# Altium PCB Carte_Alim_2019.PcbDoc (part 2 of 2)
Units mm, origin at the board's own origin, x right, y up, seen from the top; angles counter-clockwise.
Board outline 100 x 100 mm, 2 copper layers (Component Side, Solder Side), stack 1.57 mm thick; 235 components, 108 nets, 687 pads, 304 vias.
Unrouted connection lines stored in the file: 26.
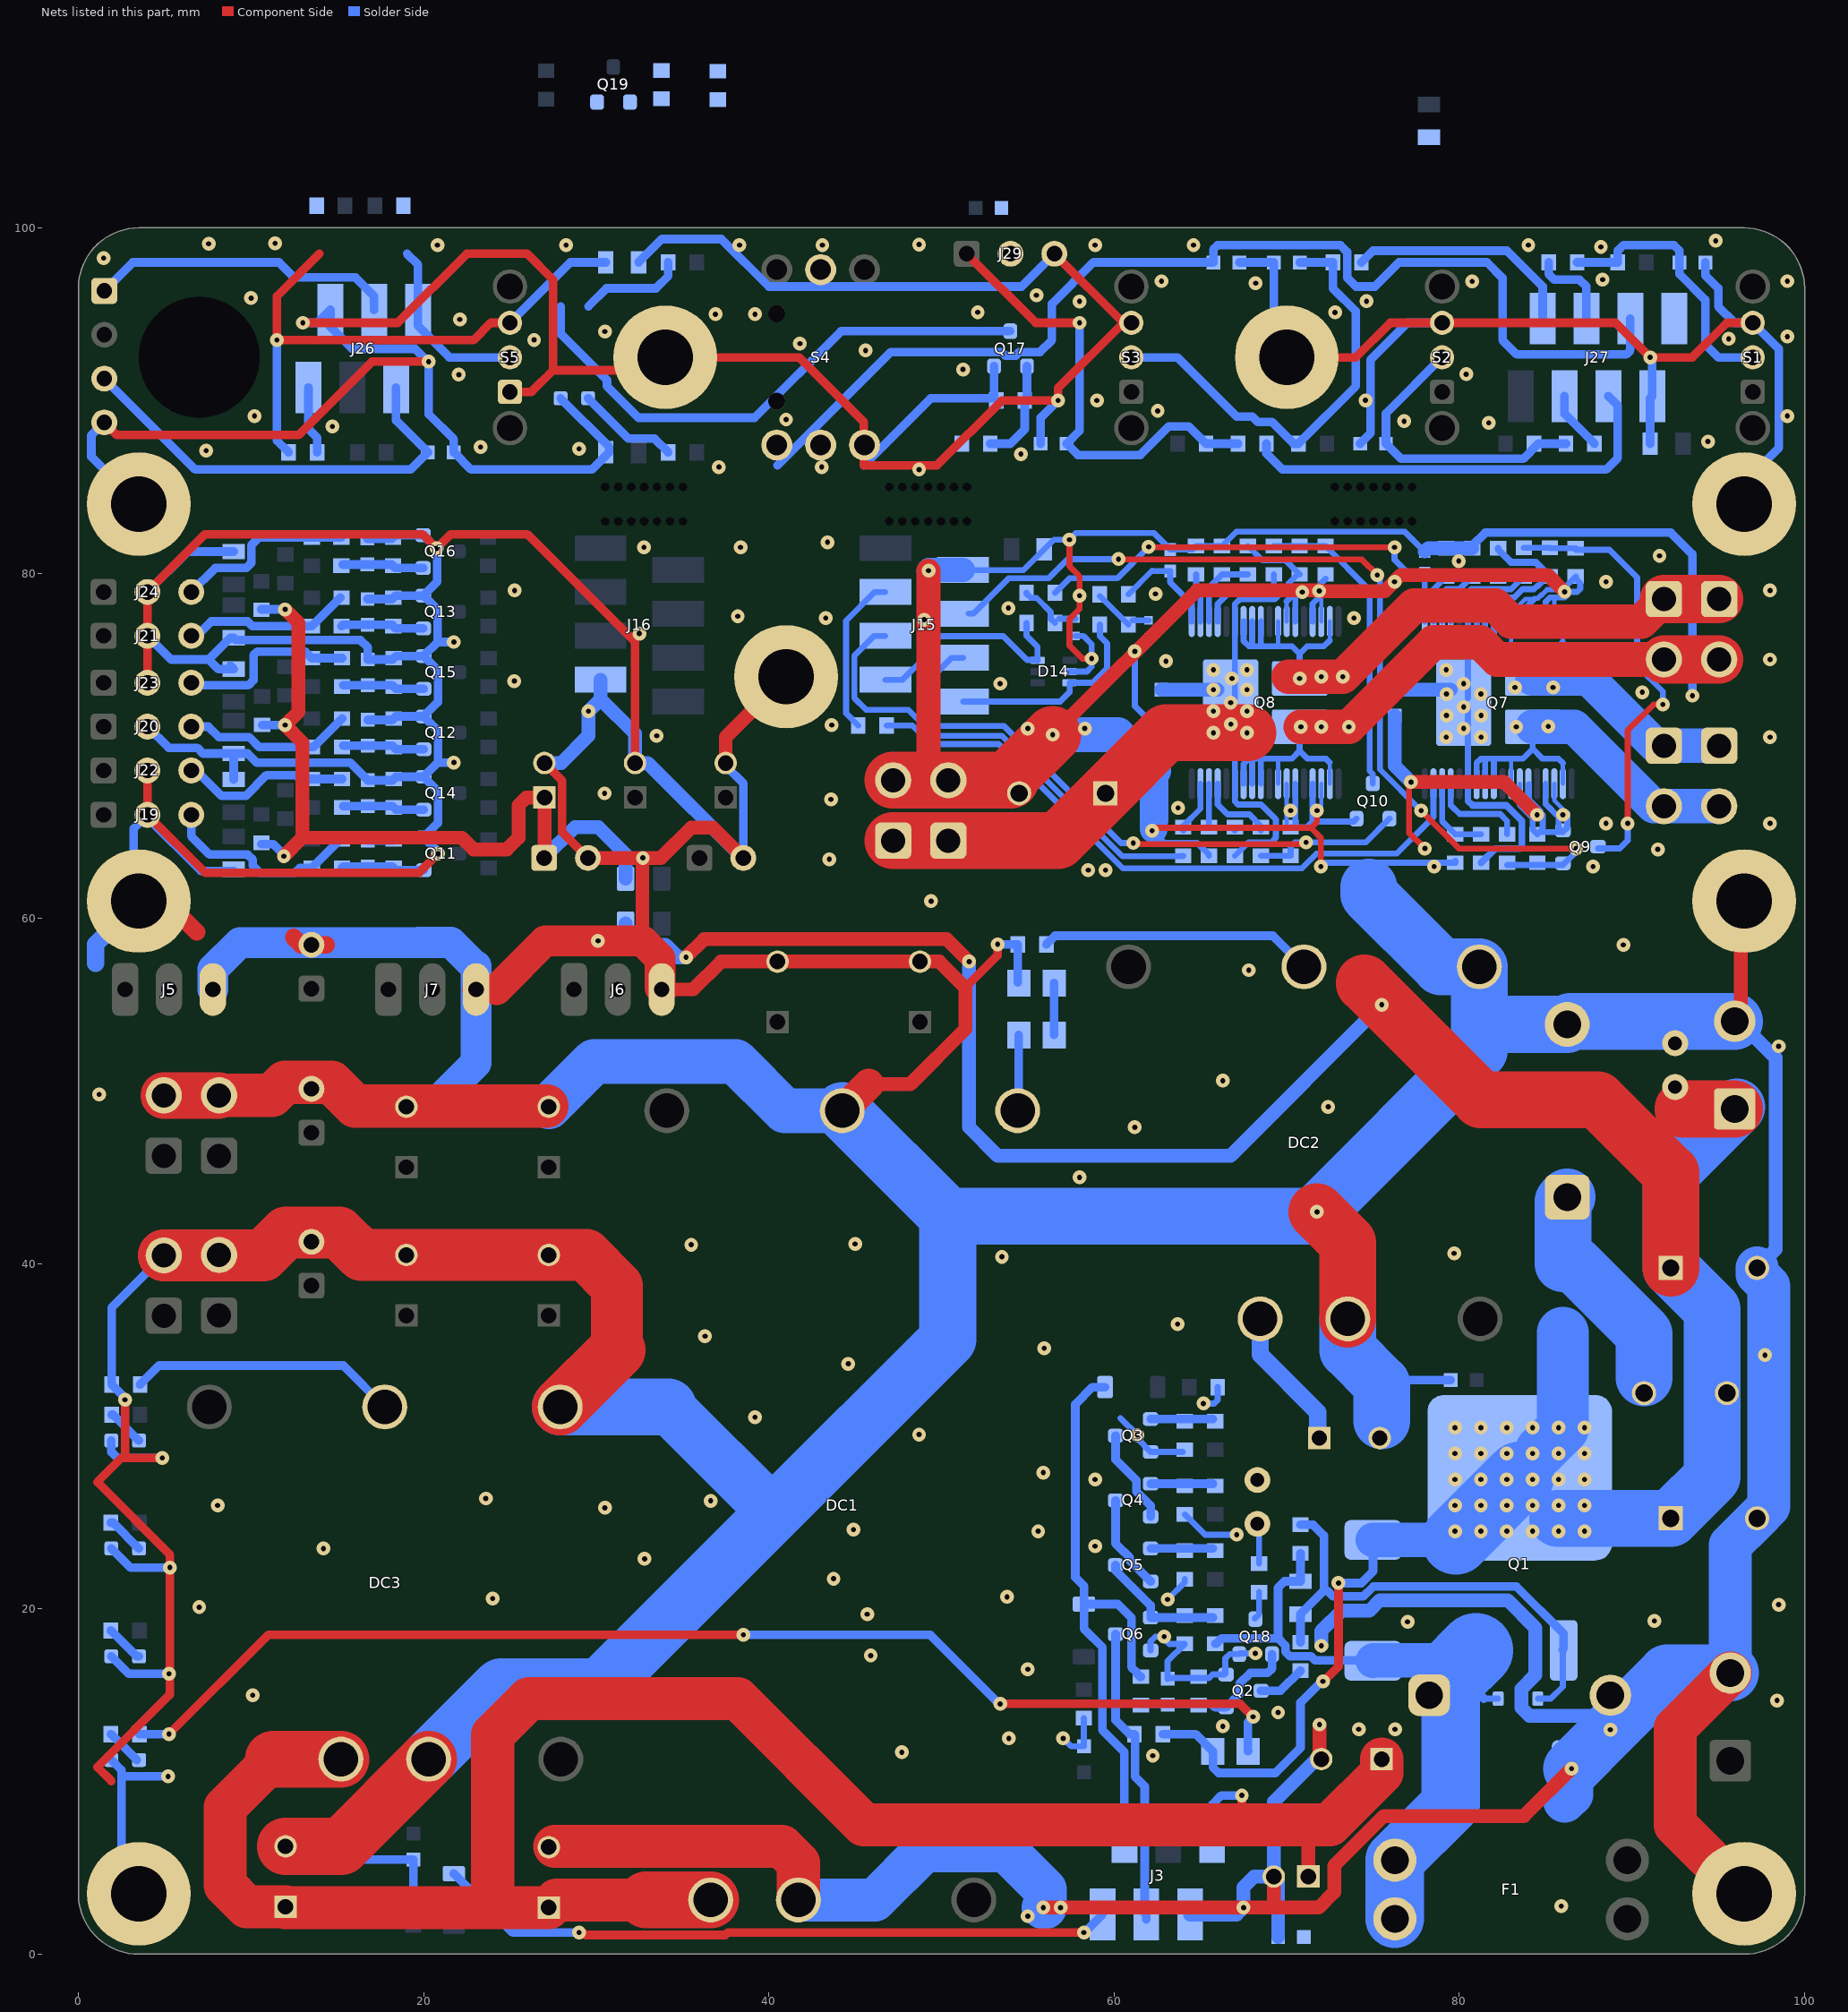
[diagram p2: the nets of this part, all layers, seen from the top]

## Via types
v1: diameter 0.8, hole 0.3, Component Side to Solder Side, tented both sides, 304 vias

## Nets (pads, with @x,y where several pads share a name; then routed paths per layer and width w, separated by ;. In a path a pad name is that pad's centre, name@x,y a point inside that pad or via, vN(x,y) a via of type N, cw(c..) or ccw(c..) an arc to the next point about the centre after c; other vN are vias at no path point) (continued)
GND: C2.2 C3.2 C4.1 C5.2 C6.2 C7.2 C8.2 C9.2 C10.2 C11.1 C12.2 C13.2 C14.2 C15.1 C16.2 C17.2 C18.2 C19.1 C20.2 C21.1 C22.1 C23.1 C24.1 C25.1 C26.2 C27.2 C28.2 C29.1 C30.1 C31.1 C32.2 C33.2 C34.2 C35.1 C36.1 C37.1 C38.2 C39.2 C40.2 C41.1 C42.1 C43.2 C44.2 C45.2 C46.2 C47.2 C48.2 C49.1 C50.2 C51.2 C52.2 D1.1 D3.1 D5.1 D7.1 D11.1 D14.2 DC1.2 DC1.5 DC2.2 DC2.5 DC3.2 DC3.5 DT2.1 J1.2 J2.2 J3.2 J4.2 J5.3 J6.3 J7.3 J8.2 J9.2 J10.2 J11.2 J12.2 J15.2 J16.2 J17.2 J18.2 J19.2 J20.2 J21.2 J22.2 J23.2 J24.2 J26.2 J27.2 J28.2 J29.2 J31.2 J32.2 J33.2 J36.2 J37.2 pad.0@3.5,3.5 pad.0@3.5,61 pad.0@3.5,84 pad.0@34,92.5 pad.0@41,74 pad.0@70,92.5 pad.0@88.75,15 pad.0@96.5,3.5 pad.0@96.5,61 pad.0@96.5,84 Q2.2 Q3.2 Q6.2 Q7.3 Q7.4 Q7.6 Q7.7 Q7.30 Q7.31 Q7.33 Q7.34 Q8.3 Q8.4 Q8.6 Q8.7 Q8.30 Q8.31 Q8.33 Q8.34 Q9.2 Q10.2 Q11.2 Q12.2 Q13.2 Q14.2 Q15.2 Q16.2 Q17.2 Q18.2 Q19.2 R5.2 R13.1 R14.1 R15.1 R16.1 R19.2 R20.1 R22.2 R23.1 R25.2 R26.1 R27.1 R28.1 R30.1 R32.1 R41.1 R42.1 R43.1 R44.1 R49.1 R50.1 R53.1 R54.1 R64.1 R65.1 R66.1 R76.1 R77.1 R78.1 R88.1 R103.1 S1.3 S2.3 S3.3 S4.A S5.1 | length 1304.1
  Component Side w0.35: v1(57.41,81.935) 57.41,80.403 58,79.813 v1(58,78.7) 58,77.93 57.41,77.34 57.41,75.808 58.168,75.05 v1(58.7,75.05) ; v1@62.375,65.25 71.406,65.25 ; v1(71.75,66.25) 71.75,65.594 71.406,65.25 ; v1(71.974,63) 71.974,64.683 71.406,65.25 ; v1(77.2,67.9) 77.081,67.781 77.081,64.967 v1(78,64.047)
  Component Side w0.5: J28.2@1.5,88.73 2.23,88 12.75,88 17,92.25 v1(20.29,92.25) ; 1.91,10.025 1.1,10.835 5.3,15.035 v1(5.3,22.4) 5.3,23.15 1.1,27.35 2.5,28.75 2.897,28.75 ; v1(2.698,32.122) 2.698,28.948 2.897,28.75 ; J22.2@4,68.57 J19.2@4,66 7.35,62.65 19.731,62.65 v1(20.831,63.75) ; J23.2@4,73.65 J21.2@4,76.37 J24.2@4,78.91 7.34,82.25 19.934,82.25 v1(20.75,81.434) 21.566,82.25 26,82.25 32.25,76 C28.2@32.25,69 ; v1(4.865,28.75) 2.897,28.75 ; v1(13,94.5) 18.5,94.5 22.5,98.5 26,98.5 27.5,97 27.5,91.75 ; S5.1@25,90.5 26.25,90.5 27.5,91.75 ; C27.2@27,69 28.027,67.973 28.027,64.993 J17.2@29.52,63.5 ; pad.0@33.25,91.75 27.5,91.75 ; pad.0@34,92.5 41.75,92.5 45.5,88.75 45.5,86.25 49.75,86.25 53.5,90 v1(56.75,90) 56.75,90.71 60.54,94.5 56.54,98.5 ; 51.384,55.991 53.25,57.858 v1(53.25,58.5) ; pad.0@70,92.5 74,92.5 76,94.5 S2.3@79,94.5 89.055,94.5 v1(91.055,92.5) 93.5,92.5 95.5,94.5 S1.3@97,94.5
  Component Side w0.8: J17.2@29.52,63.5 33.75,63.5 35.5,65.25 36.77,65.25 J18.2@38.52,63.5 ; 32.673,58.7 v1@32.673,63.423 ; J6.3@33.79,55.885 35.615,55.885 37.23,57.5 C9.2@40.5,57.5 49.875,57.5 51.384,55.991 51.384,53.588 48.196,50.4 45.79,50.4 ; C26.2@37.5,69 37.5,70.5 pad.0@41,74 ; v1(55.9,2.7) v1(56.9,2.7) v1(67.5,2.7) 69.25,2.7 ; v1(56.44,70.642) 64.798,79 v1@71.9,79 ; C3.2@69.25,4.5 69.25,2.7 ; v1(71.883,78.966) 71.885,78.964 75.687,78.964 76.614,79.891 85.126,79.891 v1(86.1,78.917) ; v1(71.9,13.3) 71.9,11.4 C2.2@72,11.3 ; v1(77.2,67.9) 82.6,67.9 v1(84.5,66) ; v1(86.5,10.75) 83.75,8 75.625,8 72.75,5.125 72.75,3.596 71.854,2.7 69.25,2.7 ; J2.2@95.95,54.04 96.3,54.39 96.3,60.8 pad.0@96.5,61
  Component Side w1: pad.0@3.5,61 5.053,61 6.853,59.2 ; 12.469,58.9 12.899,58.47 J4.2@13.5,58.47 14.37,58.47
  Component Side w1.4: 49.25,69.15 v1(49.25,80.145)
  Component Side w1.6: J7.3@23.04,55.885 24.225,55.885
  Component Side w1.8: 24.225,55.885 27.04,58.7 32.673,58.7 33.699,57.673 33.699,55.976 J6.3@33.79,55.885 ; DC1.5@44.25,48.86 45.79,50.4
  Component Side w2.5: J8.2@8.15,49.75 11.216,49.75 11.966,50.5 14.659,50.5 16.032,49.127 C14.2@27.14,49.127 ; C8.2@27.6,6.25 40.75,6.25 41.71,5.29 DC1.2@41.71,3.14 ; J1.2@95.7,16.29 92.5,13.09 92.5,7.5 pad.0@96.5,3.5
  Component Side w2.7: J31.2@4.95,49.75 J8.2@8.15,49.75
  Component Side w3: J32.2@4.95,40.48 10.71,40.48 12.03,41.8 15.1,41.8 16.4,40.5 C18.2@19,40.5 C17.2@27.25,40.5 29.4,40.5 31.2,38.7 31.2,34.99
  Component Side w3.3: C16.2@12,6.25 15.24,6.25 DC3.2@20.29,11.3 ; DC3.5@27.91,31.7 31.2,34.99 ; J33.2@47.2,68 J12.2@50.4,68 54,68 54,68.202 v1(56.44,70.642) ; v1(71.75,43) 73.54,41.21 DC2.2@73.54,36.8
  Solder Side w0.25: R54.1@70,65.501 Q8.7@70,67.8 ; Q8.30@70,77.2 70,78.376 ; v1@72,66.25 Q8.3@72,67.8 ; Q8.34@72,77.2 72,78.526 ; 83.5,66.578 Q7.7@83.5,67.8 ; Q7.30@83.5,77.2 83.5,78.175 83.825,78.5 84.35,78.5 ; Q7.3@85.5,67.8 85.5,66.845 v1@86.25,66.095 ; Q7.34@85.5,77.2 85.5,78.596
  Solder Side w0.3: 84.35,78.5 84.391,78.541 84.537,78.541 84.736,78.74 84.783,78.74 85.083,79.04 85.861,79.04 85.88,79.059 v1@86,79.059
  Solder Side w0.35: J15.2@51.25,80.175 53.309,80.175 ; 53.311,80.177 54.759,80.177 C23.1@55.95,81.368 56.517,81.935 v1(57.41,81.935) 57.804,82.329 62.296,82.329 R32.1@63.25,81.375 64.55,81.375 R28.1@64.75,81.575 R44.1@66.25,81.575 67.075,82.4 76.841,82.4 R30.1@77.991,81.25 ; v1(57.05,12.5) 57.5,12.05 C11.1@58.25,12.05 R20.1@58.25,13.675 ; D14.2@57.425,74.3 58.425,74.3 58.7,74.575 v1(58.7,75.05) 58.7,75.875 58.21,76.365 C24.1@57.75,76.365 ; 60.375,31.05 v1(61.35,30.075) 61.35,29.864 Q3.2@62.116,29.098 R14.1@63.972,29.098 ; C25.1@62,76.27 v1(61.2,75.47) 61.2,72.294 61.744,71.75 C22.1@62.75,71.75 ; Q6.2@62.116,17.597 62.116,18.116 62.396,18.396 62.896,18.396 v1(62.9,18.4) 62.9,18.28 63.205,17.975 R13.1@64.1,17.975 63.1,16.975 C49.1@63.1,16 ; v1@62.296,65.171 v1(62.2,65.075) 62.909,64.366 64.816,64.366 65.5,63.682 R43.1@65.5,63.628 ; C49.1@63.1,15.95 C49.1@63.1,16 ; v1(63.1,20.55) 64.1,21.55 R16.1@64.1,21.725 ; R15.1@64.1,25.475 65.275,24.3 v1(67.1,24.3) ; v1(65.175,31.9) 65.795,31.9 66,32.105 R23.1@66,32.85 ; Q18.2@67.248,17.38 66.685,17.38 66.443,17.138 66.443,16.243 66.402,16.202 65.702,16.202 65.5,16 64.9,16 C49.1@63.1,16 ; Q18.2@67.293,17.425 v1(68.183,17.425) ; 70,78.376 70.5,78.876 ; R54.1@70.224,65.277 71.165,65.277 71.5,65.613 ; R54.1@70.5,65.554 Q8.6@70.5,67.8 ; Q8.31@70.5,77.2 70.5,78.876 ; Q8.4@71.5,67.8 71.5,65.613 ; Q8.33@71.5,77.2 71.5,78.226 v1@72.061,78.788 ; v1@71.5,78.9 v1(70.9,78.9) 70.833,78.966 70.59,78.966 70.5,78.876 ; v1(71.883,78.966) 71.54,78.966 R50.1@72.25,79.676 ; v1(71.974,63) 71.883,63 72.105,63.222 74.75,63.222 R41.1@79.766,63.222 R41.1@79.766,63.348 ; Q10.2@74.048,65.782 73.879,65.613 71.5,65.613 ; 83.5,66.578 84.25,65.828 84.25,65.138 R53.1@84.516,64.872 R53.1@84.644,65 ; Q7.31@84,77.2 84,78.15 84.35,78.5 ; Q7.6@84.023,67.777 84.023,66.877 v1@84.7,66.2 ; v1@84.825,66 84.825,65.181 R53.1@84.644,65 ; Q7.4@85,67.8 85,66.614 85.75,65.864 85.75,65.25 Q9.2@86,65 ; Q7.33@85,77.2 85,78.34 85.256,78.596 85.5,78.596 v1@86.1,78.596 ; v1@86,79.059 R49.1@86.741,79.8 86.741,79.659 87,79.4 87,79.1 86.817,78.917 v1(86.1,78.917) ; v1@86.25,66.095 86.25,65.25 Q9.2@86,65 ; R53.1@84.644,65 Q9.2@86,65
  Solder Side w0.5: J28.2@1.5,88.73 0.75,87.98 0.75,86.75 pad.0@3.5,84 ; D1.1@1.91,11.25 2.5,10.66 2.5,10.3 ; D3.1@1.91,17.25 2.91,16.25 v1(5.25,16.25) ; D5.1@1.91,23.5 3.01,22.4 v1(5.3,22.4) ; D7.1@1.91,29.75 1.91,29.09 2.25,28.75 v1(4.865,28.75) ; v1(2.698,32.122) 2.698,32.227 R25.2@1.925,33 1.925,37.455 J32.2@4.95,40.48 ; pad.0@3.2,61.3 3.2,65.2 J19.2@4,66 4,65.85 7.1,62.75 C29.1@9,62.75 ; pad.0@3.5,3.5 3.5,5 2.5,6 2.5,10.3 ; J20.2@4,71.11 5.231,69.879 6.884,69.879 7.213,69.55 C30.1@9,69.55 ; J21.2@4,76.37 5.37,75 7.55,75 ; J24.2@4,78.91 6.34,81.25 C37.1@9,81.25 ; v1(5.2,10.3) 2.5,10.3 ; C36.1@8.8,74.65 C36.1@9,74.45 8.1,74.45 7.55,75 ; C35.1@9,68.05 C30.1@9,69.55 ; C16.2@12,6.25 12.76,5.49 C19.1@19.4,5.49 R26.1@19.4,3.315 ; v1(13,94.5) 13.845,94.5 J26.2@14.595,95.25 14.595,94.27 15.865,93 19.5,93 20.25,92.25 v1(20.29,92.25) 20.29,89.21 21.75,87.75 C50.2@21.75,87 22.75,86 29.75,86 30.75,87 30.75,87.309 D11.1@27.934,90.125 ; C40.2@16.73,82 18.155,82 R78.1@18.23,82.075 18.358,82.202 Q16.2@19.964,82.202 20.791,81.375 20.791,79.51 Q13.2@19.984,78.702 ; C34.2@16.75,78.5 18.175,78.5 R66.1@18.25,78.575 18.377,78.702 Q13.2@19.984,78.702 ; C32.2@16.77,64.5 18.195,64.5 R64.1@18.27,64.575 18.397,64.702 Q11.2@20.004,64.702 ; C33.2@16.77,71.5 18.195,71.5 R65.1@18.27,71.575 18.398,71.702 Q12.2@20.004,71.702 ; v1@20.831,63.875 Q11.2@20.004,64.702 ; v1(21.75,69.03) 20.831,69.03 ; v1(21.75,76.009) 20.811,76.009 ; C42.1@32.45,98 33.8,99.35 37.25,99.35 40,96.6 54.64,96.6 56.54,98.5 ; C26.2@37.5,69 37.5,68.84 38.527,67.813 38.527,63.507 J18.2@38.52,63.5 ; 45.5,86.25 49.378,90.128 53.047,90.128 Q17.2@53.047,91.984 ; v1(53.25,58.5) R22.2@54.425,58.5 R19.2@54.425,56.3 ; C48.2@55.75,87.5 55.75,89 v1(56.75,90) ; C47.2@67.25,98 C46.2@69.25,98 69.25,93.25 pad.0@70,92.5 ; C45.2@74.25,87.5 74.865,88.115 74.865,92.365 77,94.5 S2.3@79,94.5 ; 75.71,33.25 C15.1@79.5,33.25 ; R42.1@80.741,81.45 80.741,81.591 81.5,82.35 92.25,82.35 93.5,81.1 v1(93.5,72.9) ; C41.1@91.05,87.5 J27.2@91.05,90.125 ; v1(91.055,92.5) 91.175,92.38 J27.2@91.175,90.25 ; C44.2@94.25,98 94.25,97.25 95.005,96.495 95.005,95.445 95.95,94.5 S1.3@97,94.5 98.5,93 98.5,87.25 pad.0@96.5,85.25 ; 7.55,75 8.8,76.25 C31.1@9,76.25 9.127,76.123 16.347,76.123 16.77,75.7 C39.2@16.77,75 18.195,75 R77.1@18.27,75.075 18.398,75.202 Q15.2@20.004,75.202 ; C30.1@9,69.55 9.805,69.55 10.326,69.03 15.749,69.03 16.77,68.008 C38.2@16.77,68 18.195,68 R76.1@18.27,68.075 18.397,68.202 Q14.2@20.004,68.202 ; Q13.2@19.984,78.702 20.811,77.875 20.811,76.009 ; Q11.2@20.004,64.702 20.831,65.529 20.831,67.375 Q14.2@20.004,68.202 ; Q14.2@20.004,68.202 20.831,69.03 ; Q12.2@20.004,71.702 20.831,70.875 20.831,69.03 ; Q12.2@20.004,71.702 20.831,72.529 20.831,74.375 Q15.2@20.004,75.202 ; Q15.2@20.004,75.202 20.811,76.009
  Solder Side w0.8: C27.2@27,69 27.971,69 29.549,70.579 v1(29.549,72) 30.25,72.701 ; J16.2@30.25,73.825 30.25,72.701 ; J18.2@38.52,63.5 38.472,63.5 32.972,69 C28.2@32.25,69 32.25,70.701 30.25,72.701 ; 62.75,65.625 C22.1@62.75,71.75 ; J3.2@64.405,2.3 67.1,2.3 v1(67.5,2.7) 67.5,3.881 68.119,4.5 C3.2@69.25,4.5 ; C4.1@69.5,1 69.5,4.25 C3.2@69.25,4.5 ; C2.2@72,11.3 71.725,11.3 69.25,8.825 C3.2@69.25,4.5 ; v1(72,17.864) 72,18.721 73.177,19.898 74.788,19.898 75.39,20.5 82.8,20.5 84.4,18.9 84.4,16.176 83.6,15.376 83.6,14.269 84.069,13.8 88.7,13.8 ; C21.1@76.265,71.75 76.265,68.835 v1(77.2,67.9) ; R30.1@77.991,81.25 78.191,81.45 R27.1@79.241,81.45 R42.1@80.741,81.45 ; v1@86.1,78.869 v1(86.1,78.917) ; J2.2@96.25,54 98.325,51.925 98.325,40.825 C7.2@97.25,39.75
  Solder Side w1: 1,57.4 1,58.5 pad.0@3.5,61
  Solder Side w1.4: v1(49.25,80.145) 49.28,80.175 J15.2@51.25,80.175
  Solder Side w1.6: v1@62.296,65.171 62.296,68.562
  Solder Side w1.8: J5.3@7.79,55.885 7.79,57.05 9.34,58.6 19.537,58.6 ; C13.2@19,49.09 20.5,49.09 23.04,51.63 J7.3@23.04,55.885 J7.3@23.04,57.16 ; 19.678,58.6 19.687,58.609 21.591,58.609 J7.3@23.04,57.16 ; J7.3@23.04,57.24 J7.3@23.04,57.16
  Solder Side w2: v1(56.44,70.642) 60.216,70.642 62.296,68.562
  Solder Side w2.5: DC1.2@41.71,3.14 46.14,3.14 49,6 53.75,6 56,3.75 56,2.7 v1(55.9,2.7) ; 86.1,8.86 86.5,9.26 v1(86.5,10.75) ; J1.2@95.7,16.29 95.7,23.7 C6.2@97.25,25.25 97.927,25.927 97.927,34.7 97.927,38.707 97.25,39.384 C7.2@97.25,39.75
  Solder Side w2.6: C14.2@27.25,49.09 29.87,51.71 38.069,51.71 40.919,48.86 DC1.5@44.25,48.86
  Solder Side w3: 34.16,31.7 40.305,25.555
  Solder Side w3.3: DC3.2@20.29,11.3 24.49,15.5 30.25,15.5 40.305,25.555 50.36,35.61 50.36,42.75 ; DC3.5@27.91,31.7 34.16,31.7 ; DC1.5@44.25,48.86 50.36,42.75 ; v1@71.55,42.75 50.36,42.75 ; v1@71.775,42.975 81.16,52.36 DC2.5@81.16,57.2 78.938,57.2 74.75,61.388 74.75,61.806 ; DC2.2@73.54,36.8 73.54,35 75.5,33.04 75.5,30.9 ; 81.34,53.86 C5.2@86.25,53.86 ; C5.2@86.43,54.04 93.15,54.04 J2.2@95.95,54.04 ; v1(86.5,10.75) v1(88.75,13) 89.75,14 92.04,16.29 J1.2@95.7,16.29
  other v1: 55,2.2 85.9,2.781 62.241,11.5 47.7,11.7 53.9,12.5 66.3,13.2 69.5,14 98.4,14.7 10.1,15 55,16.5 45.9,17.3 91.3,19.3 45.7,19.7 7,20.1 98.5,20.25 24,20.6 53.8,20.7 43.75,21.75 32.8,22.9 14.2,23.5 58.9,23.639 55.6,24.5 44.9,24.6 30.5,25.86 8.07,26 36.63,26.266 23.6,26.4 58.9,27.5 55.9,27.9 48.7,30.1 39.2,31.1 44.6,34.2 97.7,34.7 55.95,35.1 36.3,35.8 63.675,36.495 53.5,40.4 79.7,40.6 35.5,41.1 45,41.145 58,45 61.2,47.9 72.4,49.085 1.2,49.8 66.3,50.6 98.5,52.59 67.8,57 89.5,58.47 30.1,58.7 49.395,61 58.5,62.8 59.5,62.8 78.534,63 87.75,63 43.5,63.427 32.7,63.507 91.5,64 88.5,65.5 98,65.5 86,66 70.224,66.25 63.7,66.4 43.6,66.9 30.481,67.245 98,70.5 33.5,70.579 55,71 58.3,71 43.641,71.2 90.6,73.1 53.4,73.6 25.25,73.75 63,74.9 98,75 32.5,76.5 49,77.3 43.3,77.4 73.9,77.4 38.2,77.5 53.875,77.975 62.4,78.8 25.266,79 98,79 76.25,79.5 88.5,79.5 79.97,80.7 91.599,81 32.766,81.5 38.359,81.5 43.4,81.791 48.7,86 37.104,86.148 43.065,86.148 54.6,86.9 7.4,87.1 29,87.2 23.3,87.3 94.4,87.625 14.72,88.5 81.7,88.7 76.8,88.8 41,88.9 10.2,89.1 99,89.1 62.525,89.399 59,90 74.565,90.01 22.036,91.5 80.4,91.525 51.25,91.8 45.6,92.9 41.8,93.3 26.4,93.509 95.6,93.571 99,93.7 30.5,94 22.1,94.7 36.908,95 39.2,95 72.8,95.1 52.1,95.112 58,95.744 74.625,95.75 10.003,95.933 55.5,96.1 68.2,96.8 80.741,96.9 62.75,96.913 99,96.913 88.3,96.999 1.46,98.25 88.2,98.9 20.8,99 28.25,99 38.3,99 43.1,99 58.9,99.006 64.6,99 84,99 48.7,99.037 7.55,99.077 11.4,99.1 94.85,99.25
LED_AU: J3.4 J25.1 J26.4 Q6.3 R9.1 | length 35.3
  Solder Side w0.5: J25.1@1.5,96.35 3.15,98 11.627,98 12.5,97.127 16.048,97.127 17.135,96.04 J26.4@17.135,95.25 ; Q6.3@60.084,18.537 60.084,13.559 60.893,12.75 R9.1@61.175,12.75 ; R9.1@61.222,12.703 61.222,10.278 61.775,9.725 61.775,2.39 J3.4@61.865,2.3 J3.4@61.865,2
LED_NUCLEO: J27.1 R87.1
MOT1_CS: D14.6 J15.7 R46.2 | length 13.3
  Solder Side w0.35: J15.7@46.75,73.825 47.75,73.825 49,75.075 49,75.865 49.483,76.348 53.579,76.348 54.96,74.967 D14.6@55.558,74.967 ; R46.2@54.925,77.115 54.925,76.375 55.558,75.742 D14.6@55.558,74.967 ; D14.6@55.575,74.95 D14.6@55.558,74.967
MOT1_CS_RAW: Q7.19 R30.2 R45.1 | length 26.4
  Component Side w0.35: v1@62,81.5 v1(76.25,81.5)
  Solder Side w0.35: R45.1@56.575,78.865 57.41,79.7 60.18,79.7 v1(62,81.52) ; v1(76.25,81.5) 76.25,80.775 77.025,80 R30.2@77.991,80 78,80 Q7.19@78,77.2
MOT1_DIR: J15.4 Q9.1 R33.1 R53.2 | length 54.4
  Component Side w0.35: v1@60.25,80.793 74.348,80.793 v1(75.25,79.891) ; v1(77.783,66.248) 79.983,64.047 v1(86.766,64.047)
  Solder Side w0.35: J15.4@51.584,77.655 51.838,77.655 53.883,79.7 56.207,79.7 57.32,80.813 v1(60.25,80.813) ; v1(75.25,79.891) 75.4,79.741 75.4,68.631 v1(77.783,66.248) ; R33.1@82.766,63.095 86,63.095 86.766,63.861 v1(86.766,64.047)
MOT1_DIR_INV: Q9.3 R35.1 R47.1 R49.2 | length 26.1
  Component Side w0.35: v1(89.75,65.5) 89.75,70.892 91.251,72.392 v1(91.792,72.392)
  Solder Side w0.35: R35.1@83.741,81.465 R47.1@85.241,81.465 85.256,81.45 R49.2@86.741,81.45 ; R49.2@86.741,81.35 88.698,81.35 90.3,79.748 90.3,74.638 91.792,73.146 v1(91.792,72.392) ; Q9.3@88.032,64.06 89.297,64.06 89.75,64.513 v1(89.75,65.5)
MOT1_N: J13.2 J34.2 Q7.2 Q7.8 Q7.10 Q7.11 Q7.12 Q7.38 | length 26.4
  Solder Side w0.25: Q7.8@83,67.8 83,69.25 ; Q7.2@86,67.8 86,69
  Solder Side w0.35: Q7.12@81.002,67.8 81.002,68.008 81,68.01 81,69 81.25,69.25 81.5,69.25 ; Q7.11@81.5,67.8 81.5,69.25 ; Q7.10@82,67.8 82,69.25 ; Q7.38@84.25,71.1 84.25,69.825 ; 86,69 85.75,69.25 84.825,69.25 84.25,69.825 ; 81.5,69.25 83,69.25 83.675,69.25 84.25,69.825
  Solder Side w2: Q7.38@84.25,71.1 86.65,71.1 91.25,66.5 J13.2@91.85,66.5 J34.2@95.05,66.5
  other v1: 83.299,71.1 85.15,71.125
MOT1_P: J13.1 J34.1 Q7.25 Q7.26 Q7.27 Q7.29 Q7.35 Q7.39 | length 26.1
  Solder Side w0.25: 83,75.75 Q7.29@83,77.2 ; 86,76 Q7.35@86,77.2
  Solder Side w0.35: Q7.25@81,77.2 81,76.016 81.266,75.75 81.5,75.75 ; Q7.26@81.5,77.2 81.5,75.75 ; 82,75.75 Q7.27@82,77.2 ; Q7.39@84.25,73.9 84.25,75.325 ; 86,76 85.75,75.75 84.675,75.75 84.25,75.325 ; 81.5,75.75 83,75.75 83.825,75.75 84.25,75.325
  Solder Side w2: Q7.39@84.25,73.9 87.485,73.9 91.385,70 J13.1@91.85,70 J34.1@95.05,70
  other v1: 83.225,73.375 85.429,73.379
MOT1_PWM: J15.3 R29.1 | length 9.3
  Solder Side w0.35: R29.1@45.175,71.175 44.471,71.879 44.471,77.241 46.135,78.905 J15.3@46.75,78.905
MOT2_CS: D14.3 J15.8 R52.2 | length 12.2
  Solder Side w0.35: J15.8@51.25,72.555 56.88,72.555 57.425,73.1 D14.3@57.425,73.65 58.775,73.65 59.6,74.475 59.6,75.923 59.175,76.348 R52.2@59.175,77.02
MOT2_CS_RAW: Q8.19 R32.2 R51.1 | length 6.4
  Solder Side w0.35: R51.1@60.825,78.77 62.2,80.145 ; 62.2,80.125 R32.2@63.25,80.125 63.25,79.466 64.5,78.216 Q8.19@64.5,77.2
MOT2_DIR: J15.6 Q10.1 R34.1 R54.2 | length 38.9
  Component Side w0.35: v1(61.116,64.366) 60.968,64.366 60.904,64.302 70.958,64.302 71.056,64.4 v1(71.126,64.4)
  Solder Side w0.35: J15.6@51.25,75.095 50.595,75.095 49,73.5 49,71.837 49.687,71.15 53.61,71.15 60.393,64.366 v1(61.116,64.366) ; R34.1@68.5,63.628 R54.2@70.224,63.628 70.224,64.155 70.468,64.4 v1(71.126,64.4) 74.571,64.4 Q10.1@75.952,65.782
MOT2_DIR_INV: Q10.3 R36.1 R48.1 R50.2 | length 17.9
  Solder Side w0.35: R36.1@69.25,81.575 R50.2@72.25,81.575 74.8,79.025 74.8,68.556 74.987,68.369 Q10.3@74.987,67.814
MOT2_N: J14.2 J35.2 Q8.2 Q8.8 Q8.10 Q8.11 Q8.12 Q8.38 | length 40.4
  Component Side w2: v1(70.819,71.1) v1(72,71.1) v1(73.6,71.1) 78.5,76 81.2,76 82.2,75 J14.2@91.85,75
  Component Side w2.8: J14.2@91.85,75 J35.2@95.05,75
  Solder Side w0.25: Q8.8@69.5,67.8 69.5,69.25 ; Q8.2@72.5,67.8 72.5,69.02
  Solder Side w0.35: Q8.12@67.5,67.8 67.5,68.948 67.802,69.25 68.5,69.25 ; Q8.11@68,67.8 68,69.25 ; Q8.10@68.5,67.8 68.5,69.25 ; Q8.38@70.75,71.1 70.75,69.708 ; 72.477,69.043 72.27,69.25 71.208,69.25 70.75,69.708 ; 68.5,69.25 70.292,69.25 70.75,69.708
MOT2_P: J14.1 J35.1 Q8.25 Q8.26 Q8.27 Q8.29 Q8.35 Q8.39 | length 41.1
  Component Side w2: 70.123,74 v1(73.25,74) 77.377,78.127 82.081,78.127 83.008,77.2 90.55,77.2 J14.1@91.85,78.5
  Component Side w2.8: J14.1@91.85,78.5 J35.1@95.05,78.5
  Solder Side w0.25: 69.5,75.766 Q8.29@69.5,77.2 ; 72.5,76.112 Q8.35@72.5,77.2
  Solder Side w0.35: Q8.25@67.5,77.2 67.5,76.066 67.8,75.766 68,75.766 ; Q8.26@68,77.2 68,75.766 ; Q8.27@68.5,77.2 68.5,75.766 ; v1(70.75,73.9) 70.75,75.325 ; 72.5,76.112 72.154,75.766 71.191,75.766 70.75,75.325 ; 68,75.766 68.5,75.766 ; 68.5,75.766 69.5,75.766 70.309,75.766 70.75,75.325
  other v1: 72,74
MOT2_PWM: J15.5 R31.1 | length 27.6
  Solder Side w0.35: J15.5@46.75,76.365 46.099,76.365 44.948,75.214 44.948,72.777 45.644,72.081 48.081,72.081 49.583,70.579 53.506,70.579 60.484,63.6 63.973,63.6 R31.1@64,63.628
NetC1_1: C1.1 Q1.1 R1.1 R4.1 Z1.1 | length 28.6
  Solder Side w0.35: Z1.1@84.55,14.8 85.3,14.8 85.993,15.493 Q1.1@85.993,17.653
  Solder Side w0.5: R4.1@70.8,18.075 C1.1@70.8,19.7 72.151,21.051 ; R1.1@70.8,24.875 71.525,24.875 72.151,24.249 72.151,21.051 ; Q1.1@85.993,17.653 86.04,17.7 86.04,18.57 83.31,21.3 75.012,21.3 74.435,20.723 72.678,20.723 72.351,21.051 72.151,21.051
NetC5_1: C5.1 D12.1 R2.2 | length 12.9
  Solder Side w3.3: C5.1@86.25,43.86 86,43.61 D12.1@86,40 86.635,40 90.7,35.935 90.7,33.4
NetC24_2: C24.2 R45.2 R46.1 | length 3.6
  Solder Side w0.35: R45.2@54.925,78.865 54.925,78.815 55.175,78.565 55.51,78.565 56.325,77.75 56.325,77.365 R46.1@56.575,77.115 ; R46.1@56.825,77.365 C24.2@57.75,77.365
NetC25_2: C25.2 R51.2 R52.1 | length 3.3
  Solder Side w0.35: R51.2@59.175,78.67 R52.1@60.825,77.02 ; R52.1@61.075,77.27 C25.2@62,77.27
NetC32_1: C32.1 Q11.1 R61.2 R64.2 | length 4.8
  Solder Side w0.5: R61.2@15.27,62.925 15.345,63 C32.1@16.77,63 18.195,63 R64.2@18.27,62.925 18.397,62.797 Q11.1@20.004,62.797
NetC33_1: C33.1 Q12.1 R62.2 R65.2 | length 4.7
  Solder Side w0.5: R62.2@15.345,70 C33.1@16.77,70 18.195,70 R65.2@18.27,69.925 18.398,69.797 Q12.1@20.004,69.797
NetC34_1: C34.1 Q13.1 R63.2 R66.2 | length 4.8
  Solder Side w0.5: R63.2@15.25,76.925 15.325,77 C34.1@16.75,77 18.175,77 R66.2@18.25,76.925 18.377,76.797 Q13.1@19.984,76.797